# Altium PCB thermal_cam_sensor_jlc.PcbDoc (part 3 of 5)
Units mm, origin at the board's own origin, x right, y up, seen from the top; angles counter-clockwise.
Board outline 100 x 100 mm, 6 copper layers (Top Layer, GND1, Power1, Power2, GND2, Bottom Layer), stack 1.538 mm thick; 1209 components, 122 nets, 3633 pads, 2406 vias.
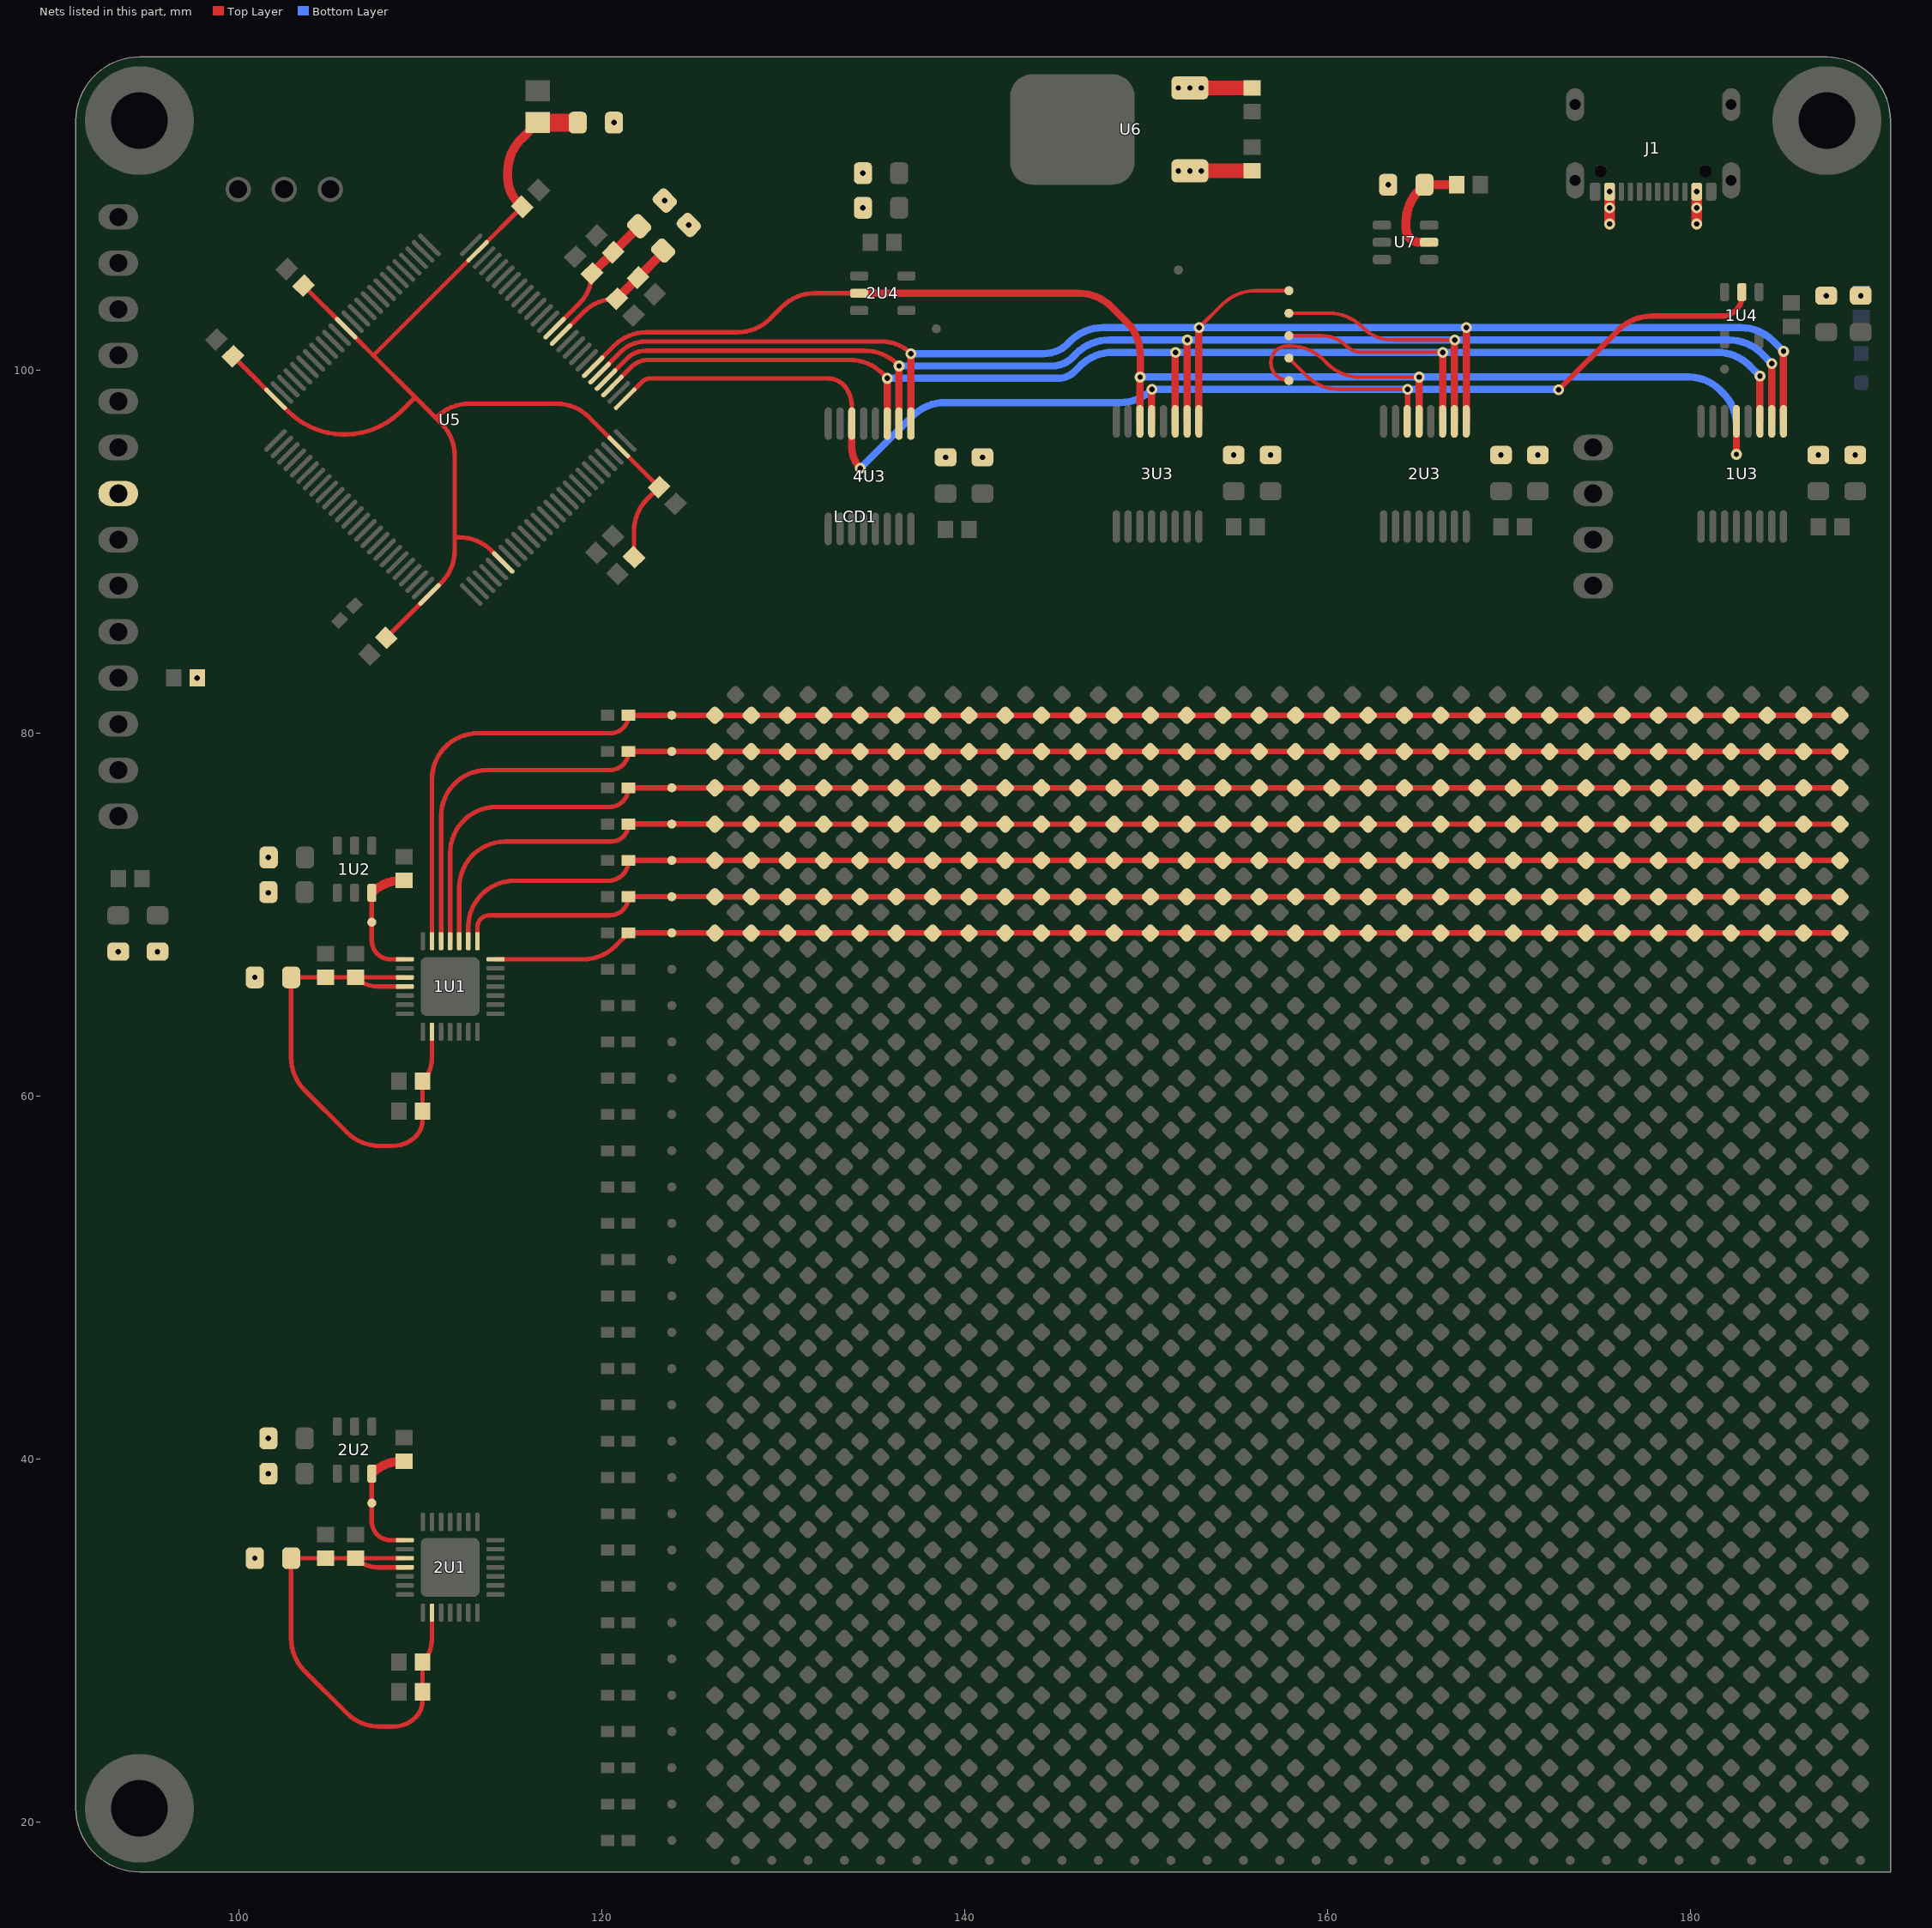
[diagram p7: the nets of this part, all layers, seen from the top]

## Footprints (in the part's own frame and the unit in brackets; to place one, negate y for a bottom-side part, rotate by r counter-clockwise, add the part's x,y. Pads: shape width x height; smd on the part's side, far side on the other; paste and mask are expansions set on the pad)
"CAP 0603_1608" [mm] "Chip Capacitor, 2-Leads, Body 1.60x0.80mm, IPC Medium Density"
  rect 0.85x0.95 smd: 1(-0.65,0) 2(0.65,0)
  silkscreen extent -1.24,-0.7 1.23,0.7, body extent -0.8,-0.41 0.8,0.41, height 0.82
"CAP 0805_2012" [mm] "Chip Capacitor, 2-Leads, Body 2.00x1.20mm, IPC Medium Density"
  rect 1.15x1.35 smd: 1(-0.875,0) 2(0.875,0)
  silkscreen extent -1.68,-0.9 1.69,0.9, body extent -0.99,-0.62 1.01,0.65, height 1.26
Ferrite-0805 [mm]
  rrect50% 1x1.2 smd paste-5 mask+0.075: 1(-1,0) 2(1,0)
  Top Layer pour cut-out: -0.5,0.8 0.5,0.8 0.5,-0.8 -0.5,-0.8
  silkscreen extent -1.7,-0.8 1.7,0.8, body extent -1,-0.62 1,0.62, height 0.85
HDRR_M_1X3 [mm] "Connector; Header; 3 Position; Right Angle"
  round 1.4 / inner round 1.4 / far side oval 1.4x2.2 hole 1: 1(-2.54,0) 2(0,0) 3(2.54,0)
  silkscreen extent -3.81,-1.27 3.81,1.27, body extent -3.81,-7.35 3.81,1.27, height 5.45
LED0603W [mm]
  rrect50% 0.8x0.8 smd paste-5 mask+0.075: 1(-0.8,0) 2(0.8,0)
  silkscreen extent -1.4,-0.6 1.4,0.6, body extent -0.8,-0.4 0.8,0.4, height 0.5
LED_0603_GREEN [mm] "LED SMD 0603, GREEN"
  rect 0.8x0.8 smd mask+0.075: 1(-0.8,0)
  rrect50% 0.8x0.8 smd mask+0.075: 2(0.8,0)
  silkscreen extent -1.4,-0.6 1.4,0.6, body extent -0.8,-0.4 0.8,0.4, height 0.5
LQFP100 [mm]
  rrect100% 1.655x0.252 smd paste+0 mask+0: 1(-7.618,6.002) 2(-7.618,5.502) 3(-7.618,5.002) 4(-7.618,4.502) 5(-7.618,4.002) 6(-7.618,3.502) 7(-7.618,3.002) 8(-7.618,2.502) 9(-7.618,2.002) 10(-7.618,1.502) 11(-7.618,1.002) 12(-7.618,0.502) 13(-7.618,0.002) 14(-7.618,-0.498) 15(-7.618,-0.998) 16(-7.618,-1.498) 17(-7.618,-1.998) 18(-7.618,-2.498) 19(-7.618,-2.998) 20(-7.618,-3.498) 21(-7.618,-3.998) 22(-7.618,-4.498) 23(-7.618,-4.998) 24(-7.618,-5.498) 25(-7.618,-5.998) 51(7.633,-5.998) 52(7.633,-5.498) 53(7.633,-4.998) 54(7.633,-4.498) 55(7.633,-3.998) 56(7.633,-3.498) 57(7.633,-2.998) 58(7.633,-2.498) 59(7.633,-1.998) 60(7.633,-1.498) 61(7.633,-0.998) 62(7.633,-0.498) 63(7.633,0.002) 64(7.633,0.502) 65(7.633,1.002) 66(7.633,1.502) 67(7.633,2.002) 68(7.633,2.502) 69(7.633,3.002) 70(7.633,3.502) 71(7.633,4.002) 72(7.633,4.502) 73(7.633,5.002) 74(7.633,5.502) 75(7.633,6.002)
  rrect100% 0.252x1.655 smd paste+0 mask+0: 26(-5.992,-7.623) 27(-5.492,-7.623) 28(-4.992,-7.623) 29(-4.492,-7.623) 30(-3.992,-7.623) 31(-3.492,-7.623) 32(-2.992,-7.623) 33(-2.492,-7.623) 34(-1.992,-7.623) 35(-1.492,-7.623) 36(-0.992,-7.623) 37(-0.492,-7.623) 38(0.008,-7.623) 39(0.508,-7.623) 40(1.008,-7.623) 41(1.508,-7.623) 42(2.008,-7.623) 43(2.508,-7.623) 44(3.008,-7.623) 45(3.508,-7.623) 46(4.008,-7.623) 47(4.508,-7.623) 48(5.008,-7.623) 49(5.508,-7.623) 50(6.008,-7.623) 76(6.008,7.628) 77(5.508,7.628) 78(5.008,7.628) 79(4.508,7.628) 80(4.008,7.628) 81(3.508,7.628) 82(3.008,7.628) 83(2.508,7.628) 84(2.008,7.628) 85(1.508,7.628) 86(1.008,7.628) 87(0.508,7.628) 88(0.008,7.628) 89(-0.492,7.628) 90(-0.992,7.628) 91(-1.492,7.628) 92(-1.992,7.628) 93(-2.492,7.628) 94(-2.992,7.628) 95(-3.492,7.628) 96(-3.992,7.628) 97(-4.492,7.628) 98(-4.992,7.628) 99(-5.492,7.628) 100(-5.992,7.628)
  silkscreen extent -7.74,-6.25 6.26,6.84, body extent -7.99,-8 8.01,8, height 1.6
M3 [mm]
  round 6 hole 3.1 mask+0.05: 0(0,0)
"RES 0402_1005" [mm] "Chip Resistor, 2-Leads, Body 1.0x0.5mm, IPC Medium Density"
  rect 0.75x0.6 smd: 1(-0.575,0) 2(0.575,0)
  silkscreen extent -1.14,-0.51 1.14,0.51, body extent -0.5,-0.25 0.5,0.25, height 0.35
"RES 0603_1608" [mm] "Chip Resistor, 2-Leads, Body 1.60x0.80mm, IPC Medium Density"
  rect 0.85x0.95 smd: 1(-0.65,0) 2(0.65,0)
  silkscreen extent -1.27,-0.7 1.27,0.7, body extent -0.8,-0.4 0.8,0.4, height 0.45
SOT23-5L [mm]
  rrect50% 0.5x1 smd: 1(0,0) 2(0.95,0) 3(1.9,0) 4(1.9,2.6) 5(0,2.6)
  silkscreen extent -0.75,0 2.3,1.82, body extent -0.52,0.05 2.48,2.55, height 1.08
SOT23-6L [mm]
  rrect50% 0.5x1 smd: 1(0,0) 2(0.95,0) 3(1.9,0) 4(1.9,2.6) 5(0.95,2.6) 6(0,2.6)
  silkscreen extent -0.75,0 2.3,1.83, body extent -0.5,-0.11 2.4,2.71, height 1.45
TEST_POINT_0R5#1 [mm]
  round 0.5 smd paste-2539.97: 0(0,0)
TEST_POINT_0R5#2 [mm]
  round 0.5 smd paste-2539.97: 0(0,6.232)
"TFT-2.8\"-NO-SCREWS" [mm]
  round 1.4 / inner round 1.4 / far side oval 2.2x1.4 hole 1 mask+0.1: 1(0,16.51) 2(0,13.97) 3(0,11.43) 4(0,8.89) 5(0,6.35) 6(0,3.81) 7(0,1.27) 8(0,-1.27) 9(0,-3.81) 10(0,-6.35) 11(0,-8.89) 12(0,-11.43) 13(0,-13.97) 14(0,-16.51) 15(81.28,3.81) 16(81.28,1.27) 17(81.28,-1.27) 18(81.28,-3.81)
  silkscreen extent -2.17,-25.07 83.72,25.07, body extent -2.18,-25.11 83.73,25.08, height 15.34
TO-252 [mil]
  rrect40% 50x80 smd: 1(-88.75,-102.5) 3(91.25,-102.5)
  rrect40% 240x270 smd: 4(1.25,152.5)
  Top Layer pour cut-out: -132.5,12.5 137.5,12.5 137.5,-147.5 133.75,-151.25 -132.5,-151.25
  silkscreen extent -129,-32 131,263, body extent -127,-119 130,272, height 91
TQFN-28 [mm]
  rrect50% 1x0.25 smd mask+0.1: 1(-2.5,1.5) 2(-2.5,1) 3(-2.5,0.5) 4(-2.5,0) 5(-2.5,-0.5) 6(-2.5,-1) 7(-2.5,-1.5) 15(2.5,-1.5) 16(2.5,-1) 17(2.5,-0.5) 18(2.5,0) 19(2.5,0.5) 20(2.5,1) 21(2.5,1.5)
  rrect50% 0.25x1 smd mask+0.1: 8(-1.5,-2.5) 9(-1,-2.5) 10(-0.5,-2.5) 11(0,-2.5) 12(0.5,-2.5) 13(1,-2.5) 14(1.5,-2.5) 22(1.5,2.5) 23(1,2.5) 24(0.5,2.5) 25(0,2.5) 26(-0.5,2.5) 27(-1,2.5) 28(-1.5,2.5)
  rrect20% 3.25x3.25 smd paste-2539.97 mask+0.1: EP(0,0)
  rrect20% 1.2x1.2 on Top Paste mask+0.1: EP1(-0.8,-0.8) EP1(-0.8,0.8) EP1(0.8,0.8) EP1(0.8,-0.8)
  silkscreen extent -3.07,-2.55 2.55,2.55, body extent -2.55,-2.55 2.55,2.55, height 0.8
TSSOP-16 [mm]
  oval 1.8x0.4 smd mask+0.075: 1(-2.9,2.275) 2(-2.9,1.625) 3(-2.9,0.975) 4(-2.9,0.325) 5(-2.9,-0.325) 6(-2.9,-0.975) 7(-2.9,-1.625) 8(-2.9,-2.275) 9(2.9,-2.275) 10(2.9,-1.625) 11(2.9,-0.975) 12(2.9,-0.325) 13(2.9,0.325) 14(2.9,0.975) 15(2.9,1.625) 16(2.9,2.275)
  silkscreen extent -2.9,-2.7 2.4,3, body extent -3.2,-2.5 3.2,2.5, height 1.1
USBC_SMD_16_USB4105 [mm] "CONN, USB, Type C, USB4105, popular*"
  rrect50% 0.6x1 smd mask+0.075: A1B12(3.2,0) A4B9(2.4,0) B1A12(-3.2,0) B4A9(-2.4,0)
  rrect50% 0.3x1 smd mask+0.075: A5(1.25,0) A6(0.25,0) A7(-0.25,0) A8(-1.25,0) B5(-1.75,0) B6(-0.75,0) B7(0.75,0) B8(1.75,0)
  oval 1x1.8 hole 0.6 slot 1.4 at 90 deg: SH1(-4.3,4.8) SH2(4.3,4.8)
  oval 1x2 hole 0.6 slot 1.6 at 90 deg: SH3(-4.3,0.62) SH4(4.3,0.62)
  round 0.7 hole 0.7 unplated: ""(-2.89,1.12) ""(2.89,1.12)
  silkscreen extent -4.5,1.8 4.5,7.4, body extent -4.79,-0.3 4.79,7.41, height 3.26

## Part data
1C1 1C2 1C3 1C4 1C5 1C6 1C7 2C1 2C2 2C3 2C4 2C5 2C6 2C7 3C6 4C6 C8 C9 C10 C12 C13 C14 C15 C16 C17 C18 C19 C20 C21 C22: library part "Cap 0603", "SMT Capacitor"
1F1 1F2 1F3 1F4 1F5 1F6 1F7 2F1 2F2 2F3 2F4 2F5 2F6 2F7 3F4 3F5 4F4 4F5 F8 F9 F10 F11 F12 F13: library part "Ferrite Bead", "Ferrite Bead"
1R1 1R2 1R3 1R4 1R5 1R6 1R7 1R8 1R9 1R10 1R11 1R12 1R13 1R14 1R15 1R16 2R1 2R2 2R3 2R4 2R5 2R6 2R7 2R8 2R9 2R10 2R11 2R12 2R13 2R14 2R15 2R16 R18: library part "Res 0402", "SMT Resistor"
1TP1 1TP2 1TP3 1TP4 1TP5 1TP6 1TP7 1TP8 1TP9 1TP10 1TP11 1TP12 1TP13 1TP14 1TP15 1TP16 1TP17 2TP1 2TP2 2TP3 2TP4 2TP5 2TP6 2TP7 2TP8 2TP9 2TP10 2TP11 2TP12 2TP13 2TP14 2TP15 2TP16 2TP17 TP18 TP19 TP20 TP21 TP22 TP23 TP24 TP25 TP26 TP27 TP28 TP29 TP30 TP31 TP32 TP33 TP34 TP35 TP36 TP37 TP38 TP39 TP40 TP41 TP42 TP43 TP44 TP45 TP46 TP47 TP48 TP49 TP50 TP51 TP52 TP53 TP54 TP55 TP56 TP57: "PCB Test Point"
1U1 2U1: library part MAX11131, "Analog to Digital Converters - ADC Pin-/Software-Compatible Family of 10-/12-Bit, 8-/16-Channel, 3Msps ADCs with External Reference"
1U2 2U2: "Voltage References low-drift, low-power"
1U3 2U3 3U3 4U3: library part SN74HCS237, "High speed CMOS logic 3-to-8 line decoder demultiplexer with address latches"
1U4 2U4: library part SN74AHC1G04, "Single input NOT gate"
C11: library part "Cap 0805", "SMT Capacitor"
J1: library part CONN_USBC_SMD_16_USB4105, "CONN, USB, Type C, USB 2.0, Right-Angle, SMD", MANF=GCT, MANF_P#=USB4105-GF-A, PARAM=5A, PRICE=1.5$
J2: library part HDRR_M_1X3, "CONN, HEADER, RightAngle, Male, pitch: 2.54mm, 3POS"
R17 R19 R20: library part "Res 0603", "SMT Resistor"
T1 T2 T3 T4 T5 T6 T7 T8 T9 T10 T11 T12 T13 T14 T15 T16 T17 T18 T19 T20 T21 T22 T23 T24 T25 T26 T27 T28 T29 T30 T31 T32 T33 T34 T35 T36 T37 T38 T39 T40 T41 T42 T43 T44 T45 T46 T47 T48 T49 T50 T51 T52 T53 T54 T55 T56 T57 T58 T59 T60 T61 T62 T63 T64 T65 T66 T67 T68 T69 T70 T71 T72 T73 T74 T75 T76 T77 T78 T79 T80 T81 T82 T83 T84 T85 T86 T87 T88 T89 T90 T91 T92 T93 T94 T95 T96 T97 T98 T99 T100 T101 T102 T103 T104 T105 T106 T107 T108 T109 T110 T111 T112 T113 T114 T115 T116 T117 T118 T119 T120 T121 T122 T123 T124 T125 T126 T127 T128 T129 T130 T131 T132 T133 T134 T135 T136 T137 T138 T139 T140 T141 T142 T143 T144 T145 T146 T147 T148 T149 T150 T151 T152 T153 T154 T155 T156 T157 T158 T159 T160 T161 T162 T163 T164 T165 T166 T167 T168 T169 T170 T171 T172 T173 T174 T175 T176 T177 T178 T179 T180 T181 T182 T183 T184 T185 T186 T187 T188 T189 T190 T191 T192 T193 T194 T195 T196 T197 T198 T199 T200 T201 T202 T203 T204 T205 T206 T207 T208 T209 T210 T211 T212 T213 T214 T215 T216 T217 T218 T219 T220 T221 T222 T223 T224 T225 T226 T227 T228 T229 T230 T231 T232 T233 T234 T235 T236 T237 T238 T239 T240 T241 T242 T243 T244 T245 T246 T247 T248 T249 T250 T251 T252 T253 T254 T255 T256 T257 T258 T259 T260 T261 T262 T263 T264 T265 T266 T267 T268 T269 T270 T271 T272 T273 T274 T275 T276 T277 T278 T279 T280 T281 T282 T283 T284 T285 T286 T287 T288 T289 T290 T291 T292 T293 T294 T295 T296 T297 T298 T299 T300 T301 T302 T303 T304 T305 T306 T307 T308 T309 T310 T311 T312 T313 T314 T315 T316 T317 T318 T319 T320 T321 T322 T323 T324 T325 T326 T327 T328 T329 T330 T331 T332 T333 T334 T335 T336 T337 T338 T339 T340 T341 T342 T343 T344 T345 T346 T347 T348 T349 T350 T351 T352 T353 T354 T355 T356 T357 T358 T359 T360 T361 T362 T363 T364 T365 T366 T367 T368 T369 T370 T371 T372 T373 T374 T375 T376 T377 T378 T379 T380 T381 T382 T383 T384 T385 T386 T387 T388 T389 T390 T391 T392 T393 T394 T395 T396 T397 T398 T399 T400 T401 T402 T403 T404 T405 T406 T407 T408 T409 T410 T411 T412 T413 T414 T415 T416 T417 T418 T419 T420 T421 T422 T423 T424 T425 T426 T427 T428 T429 T430 T431 T432 T433 T434 T435 T436 T437 T438 T439 T440 T441 T442 T443 T444 T445 T446 T447 T448 T449 T450 T451 T452 T453 T454 T455 T456 T457 T458 T459 T460 T461 T462 T463 T464 T465 T466 T467 T468 T469 T470 T471 T472 T473 T474 T475 T476 T477 T478 T479 T480 T481 T482 T483 T484 T485 T486 T487 T488 T489 T490 T491 T492 T493 T494 T495 T496 T497 T498 T499 T500 T501 T502 T503 T504 T505 T506 T507 T508 T509 T510 T511 T512 T513 T514 T515 T516 T517 T518 T519 T520 T521 T522 T523 T524 T525 T526 T527 T528 T529 T530 T531 T532 T533 T534 T535 T536 T537 T538 T539 T540 T541 T542 T543 T544 T545 T546 T547 T548 T549 T550 T551 T552 T553 T554 T555 T556 T557 T558 T559 T560 T561 T562 T563 T564 T565 T566 T567 T568 T569 T570 T571 T572 T573 T574 T575 T576 T577 T578 T579 T580 T581 T582 T583 T584 T585 T586 T587 T588 T589 T590 T591 T592 T593 T594 T595 T596 T597 T598 T599 T600 T601 T602 T603 T604 T605 T606 T607 T608 T609 T610 T611 T612 T613 T614 T615 T616 T617 T618 T619 T620 T621 T622 T623 T624 T625 T626 T627 T628 T629 T630 T631 T632 T633 T634 T635 T636 T637 T638 T639 T640 T641 T642 T643 T644 T645 T646 T647 T648 T649 T650 T651 T652 T653 T654 T655 T656 T657 T658 T659 T660 T661 T662 T663 T664 T665 T666 T667 T668 T669 T670 T671 T672 T673 T674 T675 T676 T677 T678 T679 T680 T681 T682 T683 T684 T685 T686 T687 T688 T689 T690 T691 T692 T693 T694 T695 T696 T697 T698 T699 T700 T701 T702 T703 T704 T705 T706 T707 T708 T709 T710 T711 T712 T713 T714 T715 T716 T717 T718 T719 T720 T721 T722 T723 T724 T725 T726 T727 T728 T729 T730 T731 T732 T733 T734 T735 T736 T737 T738 T739 T740 T741 T742 T743 T744 T745 T746 T747 T748 T749 T750 T751 T752 T753 T754 T755 T756 T757 T758 T759 T760 T761 T762 T763 T764 T765 T766 T767 T768 T769 T770 T771 T772 T773 T774 T775 T776 T777 T778 T779 T780 T781 T782 T783 T784 T785 T786 T787 T788 T789 T790 T791 T792 T793 T794 T795 T796 T797 T798 T799 T800 T801 T802 T803 T804 T805 T806 T807 T808 T809 T810 T811 T812 T813 T814 T815 T816 T817 T818 T819 T820 T821 T822 T823 T824 T825 T826 T827 T828 T829 T830 T831 T832 T833 T834 T835 T836 T837 T838 T839 T840 T841 T842 T843 T844 T845 T846 T847 T848 T849 T850 T851 T852 T853 T854 T855 T856 T857 T858 T859 T860 T861 T862 T863 T864 T865 T866 T867 T868 T869 T870 T871 T872 T873 T874 T875 T876 T877 T878 T879 T880 T881 T882 T883 T884 T885 T886 T887 T888 T889 T890 T891 T892 T893 T894 T895 T896 T897 T898 T899 T900 T901 T902 T903 T904 T905 T906 T907 T908 T909 T910 T911 T912 T913 T914 T915 T916 T917 T918 T919 T920 T921 T922 T923 T924 T925 T926 T927 T928 T929 T930 T931 T932 T933 T934 T935 T936 T937 T938 T939 T940 T941 T942 T943 T944 T945 T946 T947 T948 T949 T950 T951 T952 T953 T954 T955 T956 T957 T958 T959 T960 T961 T962 T963 T964 T965 T966 T967 T968 T969 T970 T971 T972 T973 T974 T975 T976 T977 T978 T979 T980 T981 T982 T983 T984 T985 T986 T987 T988 T989 T990 T991 T992 T993 T994 T995 T996 T997 T998 T999 T1000 T1001 T1002 T1003 T1004 T1005 T1006 T1007 T1008 T1009 T1010 T1011 T1012 T1013 T1014 T1015 T1016 T1017 T1018 T1019 T1020 T1021 T1022 T1023 T1024: library part phototransistor
U5: "Mainstream Arm Cortex-M4 MCU 170 MHz with 512 Kbytes of Flash memory, Math Accelerator, HR Timer, High Analog level integration"
U6: library part "LF33 (SMD)", "500mA, Very Low Drop (0.45V) Voltage Regulator, 3.3V, 3-Pin DPAK, Tape and Reel", PartNumber=LF33CDT-TR, ComponentLink1Description="Manufacturer URL", ComponentLink1URL=http://www.st.com, ComponentLink2Description=Datasheet, ComponentLink2URL=http://www.st.com/internet/com/TECHNICAL_RESOURCES/TECHNICAL_LITERATURE/DATASHEET/CD00000546.pdf, DatasheetVersion=Nov-2010, PackageDescription="3-Pin Transistor Outline Package 2.28 mm Pitch, 9.7 mm Lead Span (DPAK)", PackageReference=TO-252, PackageVersion=2011
U7: "USBUF02W6"
